# Altium PCB Industrial-Controller.PcbDoc (part 2 of 2) (continued)
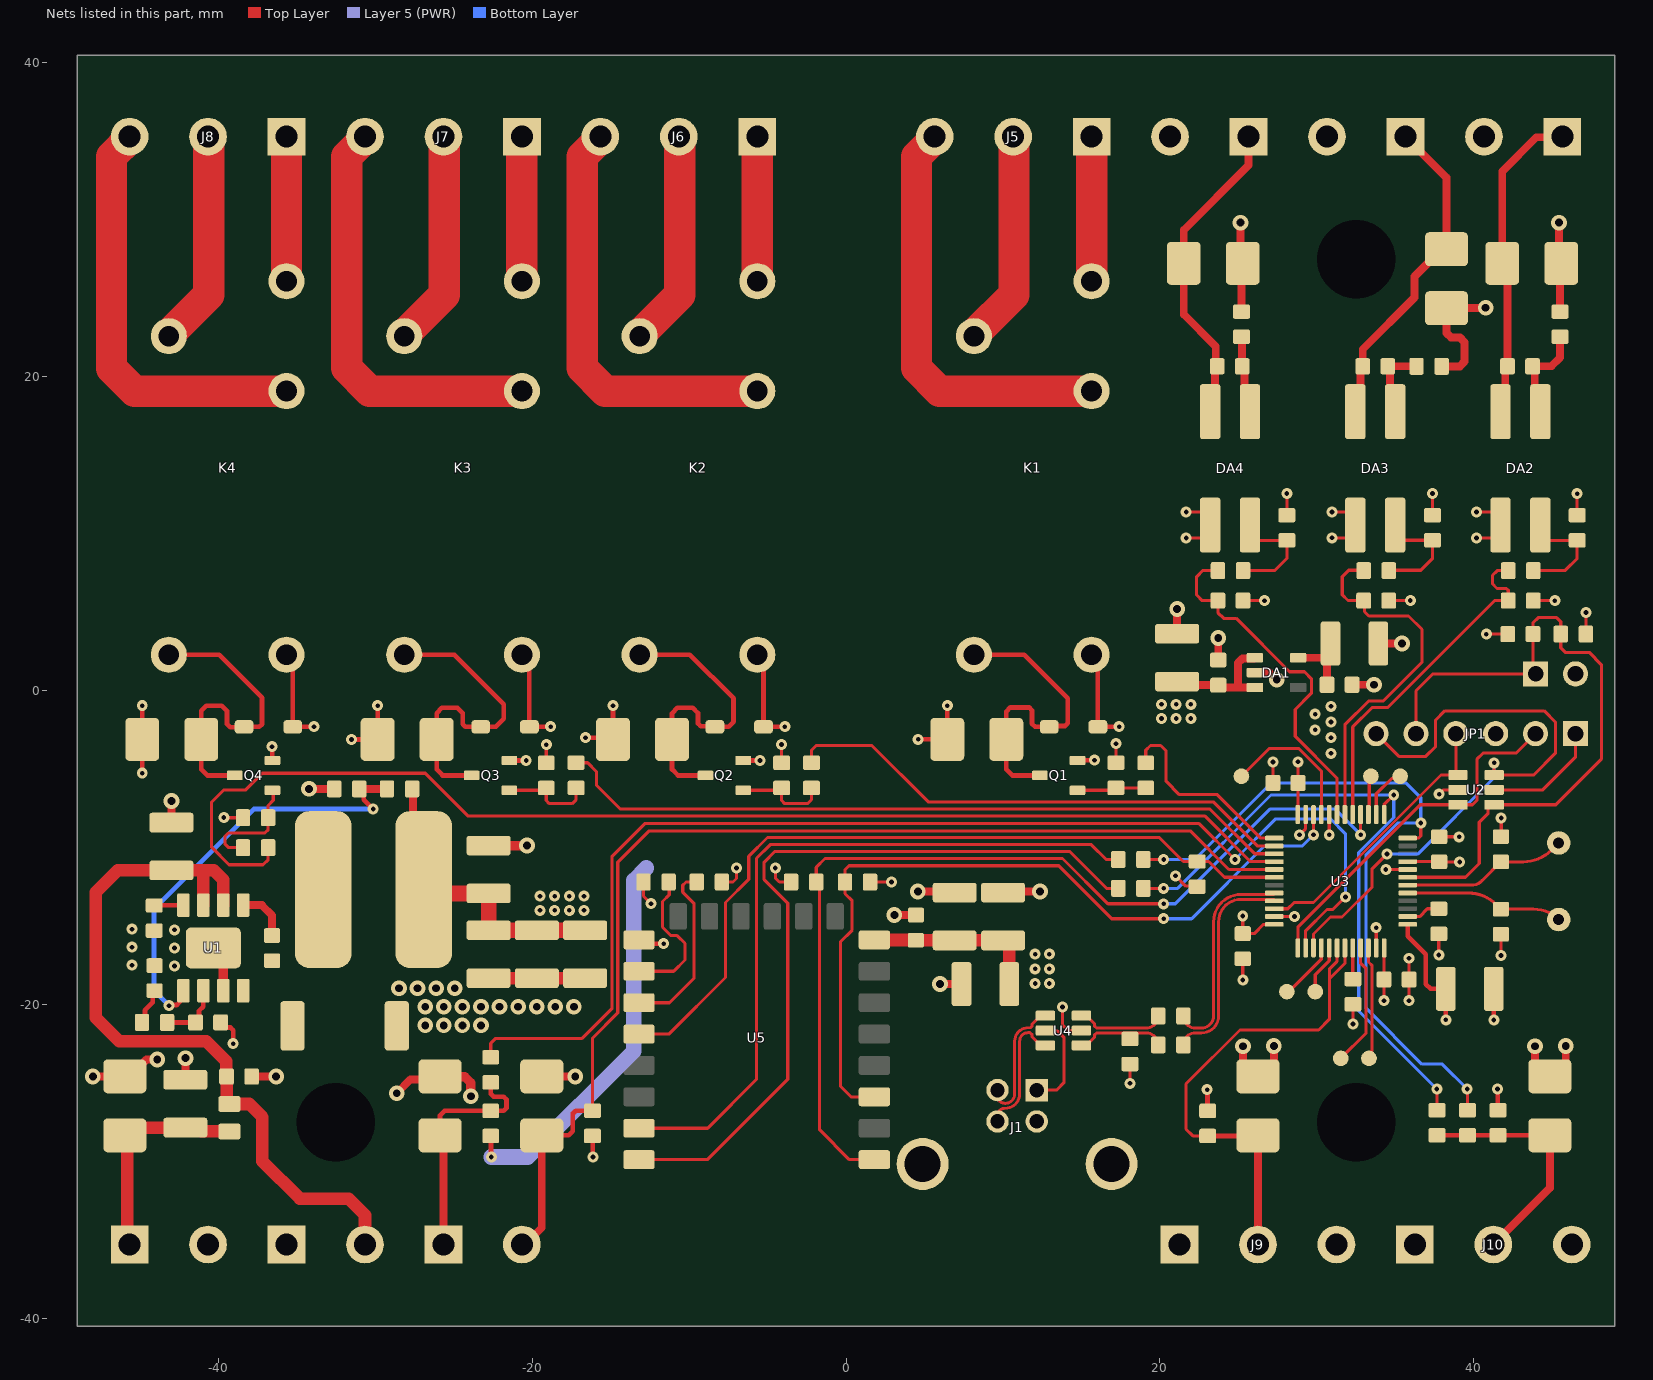
[diagram p4: the nets of this part, all layers, seen from the top]
## Nets (pads, with @x,y where several pads share a name; then routed paths per layer and width w, separated by ;. In a path a pad name is that pad's centre, name@x,y a point inside that pad or via, vN(x,y) a via of type N, cw(c..) or ccw(c..) an arc to the next point about the centre after c; other vN are vias at no path point)
3V3: C5.1 C7.2 C14.2 C15.1 C16.1 C17.1 C18.1 C27.2 C28.2 C29.2 C30.1 DA1.5 J9.1 J10.1 JP1.1 R5.1 R14.1 R16.1 R19.1 R22.1 R32.1 R33.1 R34.1 R35.1 R37.1 R38.1 R40.1 U2.5 U3.1 U3.9 U3.24 U3.36 U3.48 U5.8 | length 85.6
  Top Layer w0.2: R38.1@-7.911,-12.197 -7.197,-12.197 -6.977,-11.977 v1(-6.977,-11.3) ; v1(-4.5,-11.3) -4.5,-11.945 -4.249,-12.197 R35.1@-3.499,-12.197 ; R34.1@1.535,-12.197 v1(2.903,-12.197) ; v1(18.095,-25.027) R14.1@18.095,-23.797 ; v1(21,-11.8) 21.656,-12.456 22.345,-12.456 R37.1@22.379,-12.49 ; v1(25.282,-14.363) C17.1@25.283,-15.484 C17.1@25.283,-15.484 26.016,-15.484 26.603,-14.897 U3.36@27.291,-14.897 ; R22.1@28.092,11.183 v1(28.092,12.555) ; U3.24@28.791,-7.897 28.791,-5.902 C15.1@28.804,-5.889 v1(28.804,-4.539) ; v1(34.278,-19.755) C18.1@34.278,-18.405 34.291,-18.392 U3.48@34.291,-16.397 ; U3.9@35.791,-10.897 37.786,-10.897 C16.1@37.799,-10.91 37.807,-10.918 v1(39.102,-10.918) ; R19.1@37.378,11.191 v1(37.378,12.563) ; U2.5@41.299,-6.327 44.404,-6.327 46.48,-4.251 JP1.1@46.48,-2.742 ; R16.1@46.592,11.175 v1(46.592,12.547) ; R5.1@47.149,3.6 v1(47.15,4.972)
  Top Layer w0.3: R40.1@-22.636,-28.377 -22.62,-28.393 -22.62,-29.704 v1(-22.603,-29.721) ; v1(23.017,-25.433) 23.033,-25.449 23.033,-26.76 R32.1@23.05,-26.777 ; U3.1@35.791,-14.897 35.791,-15.641 36.95,-16.8 36.95,-18.706 37.25,-19.006 C14.2@38.225,-19.006 ; C14.2@38.215,-18.996 C14.2@38.225,-19.006 ; v1(38.225,-20.975) C14.2@38.225,-19.006 ; v1@41.517,-25.393 41.534,-25.41 41.534,-26.721 R33.1@41.55,-26.737
  Top Layer w0.5: DA1.5@28.807,2.096 30.5,2.096 C7.2@30.65,2.246 ; C5.1@30.65,0.375 C7.2@30.65,2.246 ; C7.2@30.875,3 ccw(c31.418,2.457) 30.65,2.457 C7.2@30.65,2.246
  Top Layer w0.8: U5.8@1.808,-15.887 1.815,-15.893 4.443,-15.893 C30.1@4.45,-15.9 4.461,-15.911 6.916,-15.911 C29.2@6.927,-15.922 C28.2@10.011,-15.922 10.187,-15.922 10.412,-16.147 C27.2@10.412,-18.7
  Layer 5 (PWR) w1: v1(-22.603,-29.721) -20.277,-29.721 -13.517,-22.961 -13.517,-12.096 -12.721,-11.3
  other v1: 41.517,-25.384 12.056,-18.66 12.956,-18.66 12.056,-17.727 12.956,-17.727 12.056,-16.793 12.956,-16.793 30.9,-4 30.9,-3 29.9,-2.5 30.9,-2 29.9,-1.5 30.9,-1
5V: C2.2 C3.1 C9.2 C10.2 C11.2 C12.2 D2.1 D3.1 D4.1 D5.1 D7.1 D9.1 D11.1 DA1.1 DA1.3 K1.A1 K2.A1 K3.A1 K4.A1 L1.2 R3.1 R15.1 R18.1 R21.1 | length 71.6
  Top Layer w0.3: K4.A1@-35.651,2.286 -35.256,1.891 D11.1@-35.256,-2.309 ; D11.1@-35.243,-2.301 -35.239,-2.304 -33.904,-2.304 v1(-33.9,-2.3) ; K3.A1@-20.651,2.286 -20.176,1.811 D9.1@-20.176,-2.309 ; D9.1@-20.163,-2.301 -20.159,-2.304 -18.825,-2.304 v1(-18.82,-2.3) ; K2.A1@-5.651,2.286 -5.256,1.891 D7.1@-5.256,-2.309 ; D7.1@-5.243,-2.301 -5.24,-2.304 -3.905,-2.304 v1(-3.9,-2.3) ; K1.A1@15.651,2.286 16.051,1.886 D5.1@16.051,-2.309 ; D5.1@16.064,-2.301 16.067,-2.304 17.402,-2.304 v1(17.406,-2.3)
  Top Layer w0.5: C2.2@21.1,0.575 ccw(c21.643,1.118) 21.643,0.35 C3.1@23.723,0.35 ccw(c23.877,0.35) 23.877,0.196 24.969,0.196 ; DA1.3@26.057,0.196 24.969,0.196 ; DA1.1@26.057,2.096 26.01,2.049 25.262,2.049 24.969,1.756 24.969,0.196
  Top Layer w0.508: R3.1@-27.648,-6.263 -27.604,-6.307 -27.604,-11.993 L1.2@-26.914,-12.683 ; v2(25.138,29.821) 25.138,27.366 D4.1@25.279,27.226 25.202,27.149 R21.1@25.202,24.149 ; R18.1@37.953,20.666 39.12,20.666 39.418,20.963 39.418,22.198 39.12,22.496 38.562,22.496 38.264,22.793 D3.1@38.264,24.37 38.287,24.393 v2(40.761,24.393) ; v2(45.438,29.821) 45.438,27.366 D2.1@45.579,27.226 45.502,27.149 R15.1@45.502,24.149
  Top Layer w1: L1.2@-26.914,-12.683 -26.671,-12.925 C9.2@-22.773,-12.925 C10.2@-22.773,-15.272 C11.2@-19.699,-15.272 C12.2@-16.624,-15.272
  other v1: -19.5,-14 -18.567,-14 -17.633,-14 -16.7,-14 -19.5,-13.1 -18.567,-13.1 -17.633,-13.1 -16.7,-13.1 20.11,-1.773 21.043,-1.773 21.976,-1.773 20.11,-0.873 21.043,-0.873 21.976,-0.873
12-24_FAN: C1.2 C31.1 FB1.1 J12.2 U1.2 U1.3 | length 48.1
  Top Layer w0.8: U1.3@-40.951,-13.67 -40.951,-11.501 -40.994,-11.458 ; U1.2@-39.681,-13.67 -39.681,-12.055 -40.278,-11.458 -40.994,-11.458 ; J12.2@-30.651,-35.3 -30.651,-33.418 -31.698,-32.371 -34.805,-32.371 -37.185,-29.992 -37.185,-27.181 -38.023,-26.343 FB1.1@-39.293,-26.343 cw(c-38.871,-25.92) -39.468,-25.92 C31.1@-39.468,-24.593 -39.501,-24.56 -39.501,-23.613 -40.757,-22.357 -46.298,-22.357 -47.815,-20.841 -47.815,-12.86 -46.413,-11.458 C1.2@-42.987,-11.458 -40.994,-11.458
D_N: R12.2 U4.3 | length 5.7
  Top Layer w0.19: U4.3@15.003,-20.71 15.308,-20.71 15.845,-21.247 15.845,-21.39 15.957,-21.501 19.134,-21.501 ccw(c19.134,-20.737) R12.2@19.898,-20.737
D_P: R13.2 R14.2 U4.1 | length 5.7
  Top Layer w0.19: U4.1@15.003,-22.61 15.308,-22.61 15.845,-22.073 15.845,-21.93 15.957,-21.818 19.139,-21.818 cw(c19.139,-22.577) R13.2@19.898,-22.577
ESP_BOOT: R37.2 U3.30 U5.18 | length 50.4
  Top Layer w0.2: U5.18@-13.192,-21.887 -11.287,-21.887 -7.681,-18.281 -7.681,-13.5 -6.2,-12.019 -6.2,-10.563 -4.999,-9.362 19.972,-9.362 21.501,-10.89 23.108,-10.89 24.115,-11.897 U3.30@27.291,-11.897
ESP_ENABLE: R34.2 U3.22 U5.3 | length 51.6
  Top Layer w0.2: U5.3@1.808,-25.887 0.318,-25.887 -0.354,-25.215 -0.354,-16.002 0.387,-15.262 0.387,-13.392 -0.065,-12.94 R34.2@-0.065,-12.197 -0.065,-11.418 0.194,-11.158 13.559,-11.158 16.935,-14.535 v1@20.198,-14.535 ; v1@29.791,-9.188 U3.22@29.791,-7.897
  Bottom Layer w0.2: v1(20.239,-14.535) 22.022,-14.535 26.657,-9.9 29.082,-9.9 v1(29.794,-9.188)
ESP_RESET: R35.2 U3.16 U5.1 | length 61.7
  Top Layer w0.2: U5.1@1.808,-29.887 0.218,-29.887 -1.681,-27.988 -1.681,-12.415 R35.2@-1.899,-12.197 -1.899,-11.261 -1.336,-10.698 13.798,-10.698 16.685,-13.585 v1(20.239,-13.585) ; v1@32.791,-9.188 U3.16@32.791,-7.897
  Bottom Layer w0.2: v1(20.239,-13.585) 20.99,-13.585 27.039,-7.536 31.141,-7.536 v1(32.794,-9.188)
GND: C1.1 C2.1 C3.2 C5.2 C6.2 C7.1 C8.1 C9.1 C10.1 C11.1 C12.1 C13.2 C14.1 C15.2 C16.2 C17.2 C18.2 C19.2 C20.2 C22.2 C24.2 C26.2 C27.1 C28.1 C29.1 C30.2 C31.2 C32.1 D1.2 D6.2 D8.2 D10.2 D12.2 D13.2 D14.2 D15.2 D16.2 D17.2 DA1.2 DA2.3 DA3.3 DA4.3 J1.4 J1.5 J2.2 J3.2 J4.2 J9.3 J10.3 J11.2 J12.1 JP1.3 JP2.2 Q1.2 Q2.2 Q3.2 Q4.2 R1.2 R4.2 R6.1 R11.1 R25.2 R27.2 R29.2 R31.2 R36.2 R41.2 U1.7 U1.9 U2.2 U3.8 U3.20 U3.23 U3.35 U3.47 U4.2 U5.15 | length 127.9
  Top Layer w0.2: v1@-39.653,-8.1 R31.2@-38.425,-8.1 ; R29.2@-19.1,-4.603 -19.097,-4.6 v1(-19.097,-3.449) ; R36.2@-12.903,-12.197 -12.903,-13.096 v1(-12.423,-13.576) ; v1(-4.113,-3.433) -4.113,-4.59 R27.2@-4.1,-4.603 ; v1(13.79,-20.166) 13.79,-21.29 14.154,-21.654 U4.2@14.997,-21.654 ; R25.2@17.2,-4.6 v1@17.2,-3.372 ; v1(21.681,9.726) 22.662,9.726 23.207,10.271 23.207,10.831 22.662,11.376 v1(21.681,11.376) ; v1(25.283,-18.434) C17.2@25.283,-17.084 ; C26.2@25.298,5.734 v1(26.67,5.734) ; C15.2@27.213,-5.898 v1(27.213,-4.548) ; U3.35@27.291,-14.397 28.582,-14.397 v1(28.582,-14.394) ; v1(28.894,-9.188) 29.291,-8.791 U3.23@29.291,-7.897 ; U3.20@30.791,-7.897 30.791,-9.188 v1(30.794,-9.188) ; v1(30.966,9.734) 31.948,9.734 32.493,10.279 32.493,10.839 31.948,11.385 v1(30.966,11.385) ; v1@32.3,-21.18 v1@32.304,-21.184 ; v1(32.304,-21.248) v1@32.304,-21.184 ; R6.1@32.304,-19.984 v1@32.304,-21.184 ; v1(33.788,-15.106) 33.791,-15.106 U3.47@33.791,-16.397 ; v1(34.4,-11.4) 34.403,-11.397 U3.8@35.791,-11.397 ; C24.2@34.584,5.742 v1(35.956,5.742) ; v1(35.878,-19.755) C18.2@35.878,-18.405 v1(35.878,-17.055) ; v1(37.774,-16.85) R11.1@37.774,-15.5 ; C16.2@37.799,-9.31 37.805,-9.316 v1(39.071,-9.316) ; v1(37.8,-6.6) 38.073,-6.327 U2.2@38.999,-6.327 ; v1(40.181,9.726) 41.162,9.726 41.707,10.271 41.707,10.831 41.162,11.376 v1(40.181,11.376) ; v1(40.801,3.6) C13.2@42.173,3.6 ; v1(41.734,-16.875) C19.2@41.734,-15.525 ; C20.2@41.734,-9.31 41.75,-9.294 v1(41.75,-8.114) ; C22.2@43.798,5.734 v1(45.17,5.734)
  Top Layer w0.3: v1(-44.845,-5.259) D12.2@-44.845,-3.109 v1(-44.845,-0.959) ; C6.2@-39.852,-21.143 -39.852,-21.147 -39.532,-21.467 -39.224,-21.467 -39.048,-21.643 v1(-39.048,-22.502) ; v1(-36.571,-3.569) -36.561,-3.579 -36.561,-4.438 Q4.2@-36.558,-4.44 ; v1(-31.504,-3.113) -29.85,-3.113 D10.2@-29.845,-3.109 v1(-29.845,-0.959) ; Q3.2@-21.451,-4.451 v1@-20.385,-4.451 ; v1(-16.6,-3) -14.954,-3 D8.2@-14.845,-3.109 v1(-14.845,-0.959) ; R41.2@-16.156,-28.377 -16.14,-28.393 -16.14,-29.704 v1(-16.123,-29.721) ; U5.15@-12.692,-15.887 -12.453,-16.126 v1(-11.614,-16.126) ; Q2.2@-6.551,-4.451 -5.485,-4.451 v1(-5.483,-4.449) ; v1(4.6,-3.1) 6.447,-3.1 D6.2@6.456,-3.109 v1(6.456,-0.959) ; Q1.2@14.751,-4.453 14.761,-4.443 15.819,-4.443 v1(15.83,-4.432) ; C14.1@41.275,-19.006 41.285,-19.016 v1(41.285,-20.985)
  Top Layer w0.5: v2(-47.992,-24.589) D16.2@-45.957,-24.589 ; D16.2@-45.957,-24.581 -45.654,-24.581 -44.578,-23.504 v2(-43.89,-23.504) v2@-43.985,-23.6 ; C1.1@-42.98,-8.401 v2(-42.98,-7.037) ; C32.1@-42.092,-24.786 v2(-42.092,-23.422) ; C31.2@-37.868,-24.593 v2(-36.313,-24.592) ; v2(-34.217,-6.263) R4.2@-32.614,-6.263 ; v2(-28.63,-25.658) -27.746,-24.774 D17.2@-26.06,-24.774 ; D15.2@-19.372,-24.596 v2(-17.252,-24.596) ; v2(3.082,-14.299) C30.2@4.446,-14.299 ; v2(4.579,-12.797) C29.1@6.927,-12.797 ; v2(5.994,-18.7) C27.1@7.358,-18.7 ; C28.1@10.011,-12.797 v2(12.359,-12.797) ; C2.1@21.1,3.625 v2(21.1,5.2) ; C3.2@23.723,1.95 v2(23.723,3.35) ; v2(25.3,-22.667) 25.3,-23.701 D13.2@26.251,-24.581 27.267,-23.64 v2(27.267,-22.648) ; DA1.2@26.057,1.146 26.982,1.146 27.433,0.695 v2(27.444,0.695) ; C5.2@32.25,0.375 v2(33.65,0.375) ; C7.1@33.85,3 C7.1@33.925,3 v2(35.425,3) ; v2(43.9,-22.667) 43.9,-23.701 D14.2@44.851,-24.581 45.867,-23.64 v2(45.867,-22.648)
  Top Layer w0.6: U1.9@-40.316,-16.395 -39.681,-16.395 U1.7@-39.681,-19.12 ; D17.2@-25.866,-24.581 -25.847,-24.6 -24.3,-24.6 -23.906,-24.994 v2(-23.906,-25.846) ; C9.1@-22.773,-9.875 v2(-20.325,-9.875)
  Top Layer w0.8: C10.1@-22.773,-18.322 C11.1@-19.699,-18.322 C12.1@-16.624,-18.322
  other v1: -42.791,-17.545 -45.5,-17.5 -42.791,-16.395 -45.5,-16.35 -42.791,-15.245 -45.5,-15.2 -39.642,-8.089 -20.383,-4.449 17.211,-3.382
  other v2: -26.816,-21.331 -25.632,-21.331 -24.447,-21.331 -23.263,-21.331 -26.816,-20.147 -25.632,-20.147 -24.447,-20.147 -23.263,-20.147 -22.079,-20.147 -20.895,-20.147 -19.711,-20.147 -18.526,-20.147 -17.342,-20.147 -28.484,-18.963 -27.3,-18.963 -26.116,-18.963 -24.932,-18.963
MCU_IN1: C22.1 R17.1 U3.17 | length 22.3
  Top Layer w0.2: U3.17@32.291,-7.897 32.291,-2.309 33.528,-1.072 34.521,-1.072 41.328,5.734 C22.1@42.198,5.734 42.198,6.392 42.081,6.509 41.485,6.509 41.194,6.8 41.194,7.344 41.495,7.644 R17.1@42.202,7.644
MCU_IN2: C24.1 R20.1 U3.18 | length 23.4
  Top Layer w0.2: U3.18@31.791,-7.897 31.791,-2.174 33.3,-0.665 34.235,-0.665 36.7,1.8 36.7,3.9 35.844,4.756 33.32,4.756 33.039,5.036 33.039,5.679 C24.1@32.984,5.734 ; C24.1@32.984,5.742 31.986,5.742 31.626,6.102 31.626,7.263 32.033,7.669 R20.1@32.988,7.669
MCU_IN3: C26.1 R23.1 U3.19 | length 22.9
  Top Layer w0.2: R23.1@23.702,7.661 22.747,7.661 22.341,7.255 22.341,6.094 22.7,5.734 C26.1@23.698,5.734 23.698,4.97 24.068,4.6 24.862,4.6 28.26,1.202 29.214,1.202 29.654,0.762 29.654,-0.172 28.624,-1.202 28.624,-2.907 31.291,-5.574 U3.19@31.291,-7.897
MCU_PWM_FAN: D15.1 J13.2 R41.1 U3.29 | length 72.3
  Top Layer w0.2: R41.1@-16.156,-26.777 -16.156,-22.147 -14.541,-20.532 -14.541,-10.941 -12.536,-8.936 21.936,-8.936 24.397,-11.397 U3.29@27.291,-11.397
  Top Layer w0.3: D15.1@-19.387,-28.341 -17.668,-28.341 -17.404,-28.077 -17.404,-26.953 -17.229,-26.777 R41.1@-16.156,-26.777
  Top Layer w0.5: J13.2@-20.651,-35.3 -20.465,-35.3 -19.387,-34.222 D15.1@-19.387,-28.341
MCU_RPM_FAN: R39.2 U3.38 | length 77.8
  Top Layer w0.2: R39.2@-22.636,-23.363 -22.636,-22.478 -22.32,-22.162 -16.816,-22.162 -14.905,-20.251 -14.905,-10.559 -12.825,-8.479 22.504,-8.479 24.785,-10.76 v1(24.785,-10.762) ; U3.38@29.291,-16.397 29.291,-15.306 30.647,-13.95 31.025,-13.95 v1(31.825,-13.15)
  Bottom Layer w0.2: v1(24.785,-10.762) 27.356,-8.19 30.905,-8.19 31.825,-9.11 v1(31.825,-13.15)
MCU_USB_D_N: R12.1 U3.32 | length 13.7
  Top Layer w0.19: R12.1@21.498,-20.737 21.498,-20.748 ccw(c22.248,-20.748) 22.248,-21.498 22.652,-21.498 ccw(c22.652,-20.725) 23.425,-20.725 23.425,-14.733 cw(c25.175,-14.733) 25.175,-12.983 27.205,-12.983 ccw(c27.205,-12.897) U3.32@27.291,-12.897
MCU_USB_D_P: R13.1 U3.33 | length 13.7
  Top Layer w0.19: R13.1@21.498,-22.577 21.498,-22.565 cw(c22.248,-22.565) 22.248,-21.815 22.652,-21.815 ccw(c22.652,-20.725) 23.742,-20.725 23.742,-14.733 cw(c25.175,-14.733) 25.175,-13.3 27.194,-13.3 cw(c27.194,-13.397) U3.33@27.291,-13.397
NetC4_1: C4.1 U1.1 | length 3.4
  Top Layer w0.5: U1.1@-38.411,-13.67 -37.223,-13.67 -36.572,-14.321 C4.1@-36.572,-15.608
NetC4_2: C4.2 D1.1 L1.1 U1.8
NetC6_1: C6.1 R2.1 U1.6 | length 4
  Top Layer w0.3: R2.1@-43.26,-21.147 R2.1@-43.26,-21.147 -41.454,-21.145 C6.1@-41.452,-21.143 -41.229,-20.919 -41.229,-20.413 -40.963,-20.147 -40.963,-19.151 U1.6@-40.941,-19.13
NetC8_2: C8.2 R2.2 | length 2.4
  Top Layer w0.3: R2.2@-44.86,-21.147 -44.67,-20.957 -44.67,-20.367 -44.172,-19.868 -44.172,-19.236 C8.2@-44.06,-19.124
NetC19_1: C19.1 U3.5 Y1.2 | length 10.1
  Top Layer w0.2: U3.5@35.791,-12.897 39.654,-12.897 cw(c39.654,-15.437) 41.45,-13.641 C19.1@41.734,-13.925 43.815,-13.925 cw(c43.815,-16.186) Y1.2@45.413,-14.587
NetC20_1: C20.1 U3.6 Y1.1 | length 10.6
  Top Layer w0.2: U3.6@35.791,-12.397 39.833,-12.397 ccw(c39.833,-11.383) 40.55,-12.1 41.734,-10.916 C20.1@41.734,-10.91 43.158,-10.91 ccw(c43.158,-8.37) 44.954,-10.166 Y1.1@45.413,-9.707
NetC21_1: C21.1 DA2.1 R15.2 | length 6.4
  Top Layer w0.5: DA2.1@44.247,17.776 43.885,18.138 43.885,20.533 C21.1@43.752,20.666 44.95,20.666 45.502,21.218 R15.2@45.502,22.549 R15.2@45.527,22.524
NetC21_2: C21.2 D2.2 DA2.2 J2.1 | length 20.4
  Top Layer w0.5: DA2.2@41.707,17.776 42.013,18.082 42.013,20.527 C21.2@42.152,20.666 42.152,26.892 D2.2@41.819,27.226 41.819,33.083 43.994,35.258 45.609,35.258 J2.1@45.651,35.3
NetC23_1: C23.1 DA3.1 R18.2 | length 4.9
  Top Layer w0.5: DA3.1@35.022,17.776 34.66,18.138 34.66,20.533 34.539,20.653 34.552,20.666 R18.2@36.353,20.666 ; R18.2@36.353,20.701 R18.2@36.365,20.713
NetC23_2: C23.2 D3.2 DA3.2 J3.1 | length 20.9
  Top Layer w0.5: DA3.2@32.482,17.776 32.788,18.082 32.788,20.527 C23.2@32.927,20.666 32.927,21.755 36.225,25.053 36.225,26.39 D3.2@37.964,28.13 ; J3.1@35.651,35.3 38.264,32.687 D3.2@38.264,28.13
NetC25_1: C25.1 DA4.1 R21.2 | length 5
  Top Layer w0.5: R21.2@25.202,22.549 25.227,22.524 25.227,20.691 C25.1@25.252,20.666 25.385,20.533 25.385,18.138 DA4.1@25.747,17.776
NetC25_2: C25.2 D4.2 DA4.2 J4.1 | length 20.2
  Top Layer w0.5: DA4.2@23.207,17.776 23.513,18.082 23.513,20.527 23.565,20.579 23.565,21.931 21.519,23.977 D4.2@21.519,27.226 21.519,29.342 25.651,33.474 J4.1@25.651,35.3
NetC32_2: C32.2 D16.1 FB1.2 J11.1 | length 14.2
  Top Layer w0.8: D16.1@-45.957,-28.341 -45.957,-27.843 C32.2@-42.098,-27.843 -41.098,-28.066 -39.593,-28.066 FB1.2@-39.293,-28.093 ; D16.1@-45.804,-28.341 -45.804,-35.147 J11.1@-45.651,-35.3
NetD5_2: D5.2 D6.1 K1.A2 Q1.3 | length 19.8
  Top Layer w0.3: K1.A2@8.151,2.286 11.351,2.286 14.133,-0.497 14.133,-2.075 13.958,-2.25 D5.2@12.951,-2.25 ; Q1.3@12.351,-5.403 10.596,-5.403 10.216,-5.024 10.216,-1.335 10.481,-1.07 11.676,-1.07 11.851,-1.246 11.851,-2.114 12.046,-2.309 D5.2@12.951,-2.309
NetD7_2: D7.2 D8.1 K2.A2 Q2.3 | length 19.6
  Top Layer w0.3: K2.A2@-13.151,2.286 -9.95,2.286 -7.165,-0.5 -7.165,-1.985 -7.482,-2.302 -8.349,-2.302 D7.2@-8.356,-2.309 -8.395,-2.27 -9.255,-2.27 -9.431,-2.094 -9.431,-1.433 -9.763,-1.101 -10.747,-1.101 -11.085,-1.439 D8.1@-11.085,-3.109 -11.085,-5.024 -10.706,-5.403 Q2.3@-8.951,-5.403
NetD9_2: D9.2 D10.1 K3.A2 Q3.3 | length 20.1
  Top Layer w0.3: K3.A2@-28.151,2.286 -24.95,2.286 -21.8,-0.865 -21.8,-1.8 -22.309,-2.309 D9.2@-23.276,-2.309 -24.255,-2.309 -24.431,-2.133 -24.431,-1.433 -24.763,-1.101 -25.747,-1.101 -26.085,-1.439 D10.1@-26.085,-3.109 -26.085,-5.024 -25.706,-5.403 Q3.3@-23.851,-5.403
NetD11_2: D11.2 D12.1 K4.A2 Q4.3 | length 19.9
  Top Layer w0.3: K4.A2@-43.151,2.286 -39.95,2.286 -37.209,-0.456 -37.209,-2.133 -37.385,-2.309 D11.2@-38.356,-2.309 -38.389,-2.342 -39.23,-2.342 -39.447,-2.125 -39.447,-1.287 -39.776,-0.959 -40.757,-0.959 -41.085,-1.287 -41.085,-5.024 -40.706,-5.403 Q4.3@-38.951,-5.403
NetD17_1: D17.1 J13.1 R39.1 R40.2 | length 15.1
  Top Layer w0.3: D17.1@-25.866,-28.341 -25.866,-27.061 -25.582,-26.777 R40.2@-22.636,-26.777 -21.813,-26.777 -21.637,-26.601 -21.637,-26.055 -21.813,-25.88 -22.461,-25.88 -22.636,-25.704 R39.1@-22.636,-24.963
  Top Layer w0.5: D17.1@-26.002,-28.476 D17.1@-25.866,-28.341 ; J13.1@-25.651,-35.3 D17.1@-25.651,-28.476
NetDA2_4: DA2.4 R16.2 R17.2 | length 7.3
  Top Layer w0.2: R17.2@43.802,7.661 45.836,7.661 46.592,8.417 R16.2@46.592,9.575 44.792,9.575 44.247,10.12 DA2.4@44.247,10.551
NetDA3_4: DA3.4 R19.2 R20.2 | length 7.3
  Top Layer w0.2: R20.2@34.588,7.669 36.622,7.669 37.378,8.425 R19.2@37.378,9.583 35.578,9.583 35.033,10.128 DA3.4@35.033,10.559
NetDA4_4: DA4.4 R22.2 R23.2 | length 7.3
  Top Layer w0.2: R23.2@25.302,7.661 27.336,7.661 28.092,8.417 R22.2@28.092,9.575 26.292,9.575 25.747,10.12 DA4.4@25.747,10.551
NetJ1_1: J1.1 U4.5 | length 6.1
  Top Layer w0.2: J1.1@12.155,-25.455 13.413,-25.455 13.901,-24.967 13.901,-22.118 13.483,-21.7 U4.5@12.744,-21.7
NetJ5_1: J5.1 K1.14 | length 9.2
  Top Layer w2: K1.14@15.651,26.086 J5.1@15.651,35.3
NetJ5_2: J5.2 K1.11 | length 13.8
  Top Layer w2: K1.11@8.151,22.586 8.151,22.667 10.703,25.219 J5.2@10.703,35.352
NetJ5_3: J5.3 K1.12 | length 27.1
  Top Layer w2: J5.3@5.703,35.352 5.703,35.244 4.491,34.032 4.491,20.555 5.96,19.086 K1.12@15.651,19.086
NetJ6_1: J6.1 K2.14 | length 9.2
  Top Layer w2: K2.14@-5.651,26.086 J6.1@-5.651,35.3
NetJ6_2: J6.2 K2.11 | length 13.8
  Top Layer w2: K2.11@-13.151,22.586 -13.151,22.667 -10.599,25.219 J6.2@-10.599,35.352
NetJ6_3: J6.3 K2.12 | length 27.1
  Top Layer w2: J6.3@-15.599,35.352 -15.599,35.244 -16.811,34.032 -16.811,20.555 -15.341,19.086 K2.12@-5.651,19.086
NetJ7_1: J7.1 K3.14 | length 9.2
  Top Layer w2: K3.14@-20.651,26.086 J7.1@-20.651,35.3
NetJ7_2: J7.2 K3.11 | length 13.8
  Top Layer w2: K3.11@-28.151,22.586 -28.151,22.667 -25.599,25.219 J7.2@-25.599,35.352
NetJ7_3: J7.3 K3.12 | length 27.1
  Top Layer w2: J7.3@-30.599,35.352 -30.599,35.244 -31.811,34.032 -31.811,20.555 -30.341,19.086 K3.12@-20.651,19.086
NetJ8_1: J8.1 K4.14 | length 9.2
  Top Layer w2: K4.14@-35.651,26.086 J8.1@-35.651,35.3
NetJ8_2: J8.2 K4.11 | length 13.8
  Top Layer w2: K4.11@-43.151,22.586 -43.151,22.667 -40.599,25.219 J8.2@-40.599,35.352
NetJ8_3: J8.3 K4.12 | length 27
  Top Layer w2: J8.3@-45.651,35.3 -45.651,35.192 -46.806,34.036 -46.806,20.551 -45.341,19.086 K4.12@-35.651,19.086
NetQ1_1: Q1.1 R24.2 R25.1 | length 4.4
  Top Layer w0.2: Q1.1@14.751,-6.353 17.047,-6.353 17.194,-6.206 ccw(c16.838,-5.838) R25.1@17.2,-6.2 R25.1@17.2,-6.197 ; R25.1@17.2,-6.206 R24.2@19.1,-6.206
NetQ2_1: Q2.1 R26.2 R27.1 | length 6.1
  Top Layer w0.2: Q2.1@-6.551,-6.353 -4.462,-6.353 ccw(c-4.462,-5.841) R27.1@-4.1,-6.203 ; R27.1@-4.1,-6.2 R27.1@-4.1,-6.203 ; R26.2@-2.2,-6.2 -2.2,-6.95 -2.45,-7.2 -3.9,-7.2 -4.1,-7 R27.1@-4.1,-6.203
NetQ3_1: Q3.1 R28.2 R29.1 | length 6
  Top Layer w0.2: Q3.1@-21.451,-6.353 -19.25,-6.353 R29.1@-19.1,-6.203 -19.1,-6.353 -19.1,-7 -18.9,-7.2 -17.45,-7.2 -17.2,-6.95 R28.2@-17.2,-6.2
NetQ4_1: Q4.1 R30.2 R31.1 | length 7.3
  Top Layer w0.2: R30.2@-38.425,-10.008 -39.339,-10.008 -39.579,-9.768 -39.579,-9.297 -39.353,-9.071 -37.03,-9.071 -36.825,-8.866 R31.1@-36.825,-8.1 -36.825,-7.317 -36.497,-6.99 -36.497,-6.407 Q4.1@-36.551,-6.353
NetR1_1: R1.1 U1.4 | length 1.9
  Top Layer w0.3: R1.1@-44.085,-13.692 -43.695,-13.673 -42.472,-13.673 U1.4@-42.221,-13.67
NetR3_2: R3.2 R4.1 U1.5 | length 28.2
  Top Layer w0.3: v1(-43.138,-20.077) -43.098,-20.037 -42.648,-20.037 -42.472,-19.861 -42.472,-19.371 U1.5@-42.221,-19.12 ; R4.1@-31.014,-6.263 -30.731,-6.546 -30.731,-6.949 v1(-30.129,-7.551)
  Top Layer w0.5: R4.1@-31.014,-6.263 R3.2@-29.248,-6.263
  Bottom Layer w0.3: v1(-43.138,-20.077) -44.091,-19.125 -44.091,-13.892 -37.749,-7.551 v1(-30.129,-7.551)
NetR6_2: R6.2 U3.44 | length 2
  Top Layer w0.2: U3.44@32.291,-16.397 32.291,-18.371 R6.2@32.3,-18.38
NetR11_2: R11.2 U3.2 | length 2.2
  Top Layer w0.2: U3.2@35.791,-14.397 35.794,-14.4 36.55,-14.4 37.05,-13.9 R11.2@37.774,-13.9
NetR36_1: R36.1 U5.16 | length 9.2
  Top Layer w0.2: U5.16@-13.192,-17.887 -10.983,-17.887 -10.263,-17.167 -10.263,-16.109 -10.758,-15.614 -11.153,-15.614 -11.692,-15.075 -11.692,-13.438 -11.264,-13.011 -11.264,-12.235 R36.1@-11.303,-12.197
NetR38_2: R38.2 U5.17 | length 11.4
  Top Layer w0.2: U5.17@-13.192,-19.887 -11.249,-19.887 -9.676,-18.314 -9.676,-13.57 -10.403,-12.843 -10.403,-12.403 -10.197,-12.197 R38.2@-9.511,-12.197
NetTP1_1: TP1.1 U3.14 | length 3.3
  Top Layer w0.2: U3.14@33.791,-7.897 33.791,-6.578 34.761,-5.608 35.155,-5.608 TP1.1@35.308,-5.455
NetTP2_1: TP2.1 U3.15 | length 2.5
  Top Layer w0.2: U3.15@33.291,-7.897 33.341,-7.847 33.341,-5.564 TP2.1@33.45,-5.455
NetTP3_1: TP3.1 U3.40 | length 3.8
  Top Layer w0.2: TP3.1@28.096,-19.18 28.222,-19.18 30.283,-17.119 30.283,-16.405 U3.40@30.291,-16.397
NetTP4_1: TP4.1 U3.41 | length 3.2
  Top Layer w0.2: TP4.1@29.9,-19.18 29.9,-18.1 30.791,-17.209 U3.41@30.791,-16.397
NetTP5_1: TP5.1 U3.45 | length 7.9
  Top Layer w0.2: TP5.1@31.525,-23.436 33.141,-21.82 33.141,-17.724 32.791,-17.374 U3.45@32.791,-16.397
NetTP6_1: TP6.1 U3.46 | length 7.2
  Top Layer w0.2: U3.46@33.291,-16.397 33.291,-17.291 33.528,-17.528 33.528,-22.919 33.478,-22.969 33.478,-23.283 TP6.1@33.325,-23.436
NetTP7_1: TP7.1 U3.21 | length 9.2
  Top Layer w0.2: TP7.1@25.2,-5.455 26.955,-3.7 28.869,-3.7 30.291,-5.123 U3.21@30.291,-7.897
NRST: C13.1 JP1.5 JP2.1 R5.2 U2.4 U3.7 | length 44.1
  Top Layer w0.2: U3.7@35.791,-11.897 39.475,-11.897 40.355,-11.017 40.355,-8.391 40.899,-7.847 40.899,-7.492 41.114,-7.277 U2.4@41.299,-7.277 45.223,-7.277 48.136,-4.364 48.136,1.659 47.358,2.436 45.836,2.436 45.549,2.723 R5.2@45.549,3.6 45.549,4.389 45.286,4.653 44.116,4.653 43.773,4.31 C13.1@43.773,3.6 43.773,1.242 JP2.1@43.947,1.068 37.407,1.068 36.32,-0.019 JP1.5@36.32,-2.742
RELAY1: R24.1 U3.25 | length 12.7
  Top Layer w0.2: R24.1@19.1,-4.597 19.1,-3.797 19.4,-3.497 20.047,-3.497 20.4,-3.85 20.4,-5.782 21.245,-6.627 23.66,-6.627 26.43,-9.397 U3.25@27.291,-9.397
RELAY2: R26.1 U3.26 | length 33.1
  Top Layer w0.2: R26.1@-2.2,-4.6 -2.2,-3.8 -1.9,-3.5 1.649,-3.5 5.241,-7.093 23.401,-7.093 26.206,-9.897 U3.26@27.291,-9.897
RELAY3: R28.1 U3.27 | length 47.4
  Top Layer w0.2: R28.1@-17.2,-4.6 -16.463,-4.6 -15.9,-5.163 -15.9,-6.033 -14.39,-7.543 23.182,-7.543 26.037,-10.397 U3.27@27.291,-10.397
RELAY4: R30.1 U3.28 | length 78.7
  Top Layer w0.2: R30.1@-36.825,-10.008 -36.825,-10.776 -37.148,-11.1 -39.317,-11.1 -40.427,-9.99 -40.427,-7.1 -39.67,-6.343 -38.274,-6.343 -37.194,-5.263 -26.81,-5.263 -24.071,-8.002 22.883,-8.002 25.779,-10.897 U3.28@27.291,-10.897
SWCLK: JP1.2 U2.3 U3.37 | length 23.1
  Top Layer w0.2: U3.37@28.791,-16.397 28.791,-15.078 36.592,-7.277 U2.3@38.999,-7.277 39.923,-7.277 40.2,-7 40.2,-4.379 40.604,-3.976 42.706,-3.976 JP1.2@43.94,-2.742
SWDIO: JP1.4 U2.1 U3.34 | length 17.9
  Top Layer w0.2: U3.34@27.291,-13.897 28.157,-13.897 28.555,-13.5 29.79,-13.5 37.913,-5.377 U2.1@38.999,-5.377 38.86,-5.237 JP1.4@38.86,-2.742
SWO: JP1.6 U2.6 U3.39 | length 39.9
  Top Layer w0.2: U3.39@29.791,-16.397 29.791,-15.509 30.875,-14.425 31.61,-14.425 33.523,-12.512 33.523,-11.344 34.45,-10.417 v1(34.47,-10.417) ; JP1.6@33.78,-2.742 35.231,-4.193 36.953,-4.193 37.566,-3.58 37.566,-1.884 38.162,-1.288 44.488,-1.288 45.2,-2 45.2,-4 43.823,-5.377 U2.6@41.299,-5.377 v1(41.3,-4.6)
  Bottom Layer w0.2: v1(34.47,-10.417) 36.424,-10.417 41.3,-5.541 v1(41.3,-4.6)
USART1_TEMP1: D13.1 J9.2 R32.2 U3.42 U3.43 | length 32.6
  Top Layer w0.2: R32.2@23.05,-28.377 22.105,-28.377 21.669,-27.941 21.669,-25.061 25.105,-21.624 30.116,-21.624 30.8,-20.941 30.8,-18.379 ; U3.42@31.291,-16.397 31.281,-16.408 31.281,-17.267 30.8,-17.748 30.8,-18.379 ; U3.43@31.791,-16.397 31.791,-17.388 30.8,-18.379
  Top Layer w0.3: R32.2@23.05,-28.377 26.215,-28.377 D13.1@26.251,-28.341
  Top Layer w0.5: J9.2@26.251,-35.3 D13.1@26.251,-28.341
USART2_ESP_RX: R8.1 U5.21 | length 46.7
  Top Layer w0.2: U5.21@-13.192,-27.887 -8.82,-27.887 -5.7,-24.767 -5.7,-10.689 -4.827,-9.816 15.629,-9.816 16.574,-10.761 R8.1@17.35,-10.761
USART2_ESP_TX: R7.1 U5.22 | length 49.9
  Top Layer w0.2: U5.22@-13.192,-29.887 -8.833,-29.887 -3.712,-24.765 -3.712,-13.547 -5.216,-12.043 -5.216,-10.934 -4.528,-10.246 14.246,-10.246 16.6,-12.6 R7.1@17.35,-12.6
USART2_RX: R8.2 R10.2 U3.12 | length 47.4
  Top Layer w0.2: R8.2@18.95,-10.761 v1(20.239,-10.761) ; U3.12@35.791,-9.397 35.803,-9.386 36.51,-9.386 36.627,-9.268 v1(36.627,-8.437) ; R10.2@39.6,-26.737 v1@39.6,-25.4
  Bottom Layer w0.2: v1(20.239,-10.761) 22.222,-10.761 27.084,-5.898 35.698,-5.898 36.627,-6.827 v1(36.627,-8.437) 35.157,-8.437 33.141,-10.453 33.141,-20.244 36.697,-23.8 38,-23.8 v1(39.583,-25.384)
USART2_TEMP2: D14.1 J10.2 R9.1 R10.1 R33.2 | length 15.6
  Top Layer w0.3: R9.1@37.661,-28.337 R10.1@39.6,-28.337 R33.2@41.55,-28.337 44.551,-28.337 44.847,-28.337 D14.1@44.851,-28.341
  Top Layer w0.5: J10.2@41.251,-35.3 44.851,-31.7 D14.1@44.851,-28.341
USART2_TX: R7.2 R9.2 U3.13 | length 43
  Top Layer w0.2: R7.2@18.95,-12.6 v1(20.239,-12.6) ; U3.13@34.291,-7.897 34.274,-7.88 34.274,-7.28 v1(34.904,-6.651) ; R9.2@37.661,-26.737 v1@37.661,-25.4
  Bottom Layer w0.2: v1(20.239,-12.6) 21.134,-12.6 27.083,-6.651 v1(34.904,-6.651) 34.904,-8.084 32.675,-10.313 32.675,-20.414 v1(37.645,-25.384)
USB_N: J1.2 U4.4 | length 8.3
  Top Layer w0.19: J1.2@9.655,-25.455 9.655,-25.821 ccw(c10.13,-25.821) 10.13,-26.297 10.153,-26.297 ccw(c10.153,-25.7) 10.75,-25.7 10.75,-22.333 cw(c11.6,-22.333) 11.6,-21.483 11.75,-21.483 11.861,-21.372 11.861,-21.247 12.398,-20.71 U4.4@12.703,-20.71
USB_P: J1.3 U4.6 | length 8.3
  Top Layer w0.19: J1.3@9.655,-27.455 9.655,-27.089 cw(c10.13,-27.089) 10.13,-26.614 10.153,-26.614 ccw(c10.153,-25.7) 11.067,-25.7 11.067,-22.333 cw(c11.6,-22.333) 11.6,-21.8 11.732,-21.8 11.861,-21.93 11.861,-22.073 12.398,-22.61 U4.6@12.703,-22.61
pads on no net: DA1.4 U3.3 U3.4 U3.10 U3.11 U3.31 U5.2 U5.4 U5.5 U5.6 U5.7 U5.9 U5.10 U5.11 U5.12 U5.13 U5.14 U5.19 U5.20

## Polygon pours and split planes (outlines as drawn)
GND on Top Layer "GND_L01_P001" (solid, pour order 1): -29.202,-22.2 -29.202,-19.102 cw(c-28.459,-19.102) -28.459,-18.359 -25.829,-18.359 ccw(c-25.829,-17.173) -24.99,-18.012 -24.676,-17.697 -15.3,-17.697 -15.3,-19.37 cw(c-16.578,-19.37) -15.675,-20.275 -16.34,-20.94 cw(c-17.451,-19.829) -17.451,-21.4 -22.117,-21.4 ccw(c-22.117,-21.841) -22.429,-21.529 -22.856,-21.956 cw(c-23.445,-21.367) -23.445,-22.2
3V3 on Top Layer "3V3_L01_P009" (solid, pour order 9): 10.059,-19.321 12.795,-19.321 ccw(c12.795,-18.66) 13.456,-18.66 13.456,-16.013 ccw(c12.843,-16.013) 12.843,-15.4 10.059,-15.4
3V3 on Top Layer "3V3_L01_P008" (solid, pour order 8): 30.18,0.773 30.18,-0.283 29.434,-1.029 ccw(c29.998,-1.593) 29.2,-1.593 29.2,-2.548 ccw(c30.34,-2.548) 29.534,-3.354 30.562,-4.382 ccw(c30.909,-4.034) 31.4,-4.034 31.4,0.8
5V on Top Layer "5V_L01_P007" (solid, pour order 7): 19.445,1.024 19.445,-1.745 ccw(c20.072,-1.745) 20.072,-2.373 22.074,-2.373 ccw(c22.074,-1.77) 22.676,-1.77 22.676,1.056 ccw(c22.233,1.056) 22.233,1.5 19.921,1.5 ccw(c19.921,1.024)
5V on Top Layer "5V_L01_P004" (solid, pour order 4): -15.939,-15.897 -15.939,-13.161 ccw(c-16.6,-13.161) -16.6,-12.5 -19.598,-12.5 ccw(c-19.598,-13.102) -20.2,-13.102 -20.2,-15.897
GND on Top Layer "GND_L01_P003" (solid, pour order 3): -46,-15.1 -46,-17.7 ccw(c-45.654,-17.7) -45.654,-18.046 -38.493,-18.046 ccw(c-38.493,-17.659) -38.105,-17.659 -38.105,-15.135 ccw(c-38.495,-15.135) -38.495,-14.744 -45.644,-14.744 ccw(c-45.644,-15.1)
NetC4_2 on Top Layer "NETC4_2_L01_P000" (solid, pour order 0): -38.881,-18.269 -38.881,-20.499 ccw(c-37.517,-20.499) -38.481,-21.464 -36.718,-23.227 ccw(c-35.668,-22.177) -35.668,-23.662 -34.838,-23.662 ccw(c-34.838,-22.208) -33.81,-23.236 -31.77,-21.196 ccw(c-33.644,-19.322) -30.993,-19.322 -30.993,-16.709 -30.993,-8.117 ccw(c-31.637,-8.117) -31.638,-7.473 -35.058,-7.473 ccw(c-35.058,-8.095) -35.679,-8.095 -35.679,-16.278 cw(c-36.11,-16.278) -36.111,-16.709 -37.317,-16.709 -37.317,-17.69 cw(c-37.9,-17.69) -37.902,-18.273
3V3 on Layer 5 (PWR) "3V3_L03_P005" (solid, pour order 5): 26.67,12.37 26.67,-5.967 cw(c25.837,-5.967) 25.837,-6.8 4.885,-6.8 -13.2,-6.8 ccw(c-13.2,-7.6) -14,-7.6 -14,-12.997 4.885,-12.997 4.885,-29.721 4.885,-38.285 ccw(c6.1,-38.285) 6.1,-39.5 46.8,-39.5 ccw(c46.8,-38.3) 48,-38.3 48,-28.7 48,12.4 ccw(c47,12.4) 47,13.4 27.7,13.4 ccw(c27.7,12.37)
5V on Layer 5 (PWR) "5V_L03_P006" (solid, pour order 6): -35.793,-5.2 -25.2,-5.2 cw(c-25.2,-6.536) -23.863,-6.537 -23.863,-14.16 ccw(c-22.827,-14.16) -22.826,-15.197 -16.526,-15.197 ccw(c-16.526,-14.271) -15.6,-14.271 -15.6,-6.4 cw(c-14.4,-6.4) -14.4,-5.2 21.936,-5.2 ccw(c21.936,-4.436) 22.7,-4.436 22.7,-1 ccw(c21.966,-1) 21.966,-0.266 4.766,-0.266 cw(c4.766,0.8) 3.7,0.8 3.7,4.434 cw(c4.666,4.434) 4.666,5.4 11.602,5.4 ccw(c11.602,9.499) 14.5,6.6 26.705,18.805 cw(c29.348,16.162) 29.349,19.9 46.608,19.9 ccw(c46.608,20.992) 47.7,20.992 47.7,31.5 ccw(c46.7,31.5) 46.7,32.5 23.6,32.5 ccw(c23.6,31.5) 22.6,31.5 22.6,23.207 cw(c18.674,23.207) 21.45,20.43 12.099,11.08 cw(c9.01,14.168) 9.01,9.8 0.096,9.8 ccw(c0.096,8.704) -1,8.704 -1,0.9 cw(c-2.166,0.9) -2.166,-0.266 -35.786,-0.266 ccw(c-35.787,-1.045) -36.566,-1.046 -36.566,-4.426 ccw(c-35.793,-4.427)
GND on Layer 4 (GND) "GND_L02_P002" (solid, pour order 2): -48.5,-38.9 -48.5,15.1 cw(c-47.39,15.1) -47.39,16.21 15.459,16.21 ccw(c15.459,18.506) 17.083,16.883 18.025,17.825 ccw(c16.638,19.212) 18.6,19.213 18.6,38.97 cw(c19.63,38.97) 19.63,40 47.5,40 cw(c47.5,39) 48.5,39 48.5,15.5 cw(c47.501,15.499) 47.5,14.5 23.724,14.5 ccw(c23.723,12.513) 22.317,13.917 19.112,10.712 ccw(c20.347,9.476) 18.6,9.476 18.6,-5.1 cw(c17.96,-5.1) 17.96,-5.74 -14.24,-5.74 ccw(c-14.24,-6.549) -15.049,-6.549 -15.049,-21.449 cw(c-15.8,-21.449) -15.8,-22.2 -32.4,-22.2 ccw(c-32.4,-22.918) -33.118,-22.918 -33.118,-25.2 -32.5,-25.2 -32.5,-23.5 cw(c-31.8,-23.5) -31.8,-22.8 -15.2,-22.8 ccw(c-15.2,-22.049) -14.449,-22.049 -14.449,-7.148 cw(c-13.666,-7.148) -13.666,-6.365 18.524,-6.363 ccw(c18.524,-5.686) 19.2,-5.686 19.2,9.559 cw(c20.266,9.559) 19.512,10.312 22.517,13.317 cw(c23.924,11.911) 23.924,13.9 47.5,13.9 cw(c47.501,12.901) 48.499,12.9 48.495,-7.501 48.495,-39.005 cw(c47.501,-39.006) 47.5,-40 3.577,-40 cw(c3.577,-38.907) 2.484,-38.907 2.484,-31.237 -13.905,-31.237 -13.905,-38.905 cw(c-15,-38.905) -15,-40 -47.4,-40 cw(c-47.4,-38.9)

## Silkscreen, mask and mechanical layers (free items; w line width, h text height)
Top Overlay:
  region: 43.805,-0.843 42.091,-0.843 42.091,0.871
  region: 48.4,-2.886 48.4,-4.6 46.686,-4.6
  lines w0.2: 42.891,-23.821 42.9,-23.821
  text "RESET" at 35.275,0.028 h3
  text "SWD" at 27.2,-3.669 h3
  text "ESP UART" at 14.6,-14.98 h2
  text "TEMP UART" at 36.534,-30.124 h2 r90
Bottom Overlay:
  drawing of 846 lines, arcs and shapes, not listed
  text ".GlobalProjectTitle" at 41.3,12.152 h2
  text "BOM v.GlobalRevisionBOM" at 41.3,5.053 h2
  text "PCB v.GlobalRevisionPCB" at 41.3,3.268 h2
Board Outline:
  the board outline again, w0.05